# KiCad board Mun.kicad_pcb (continued)
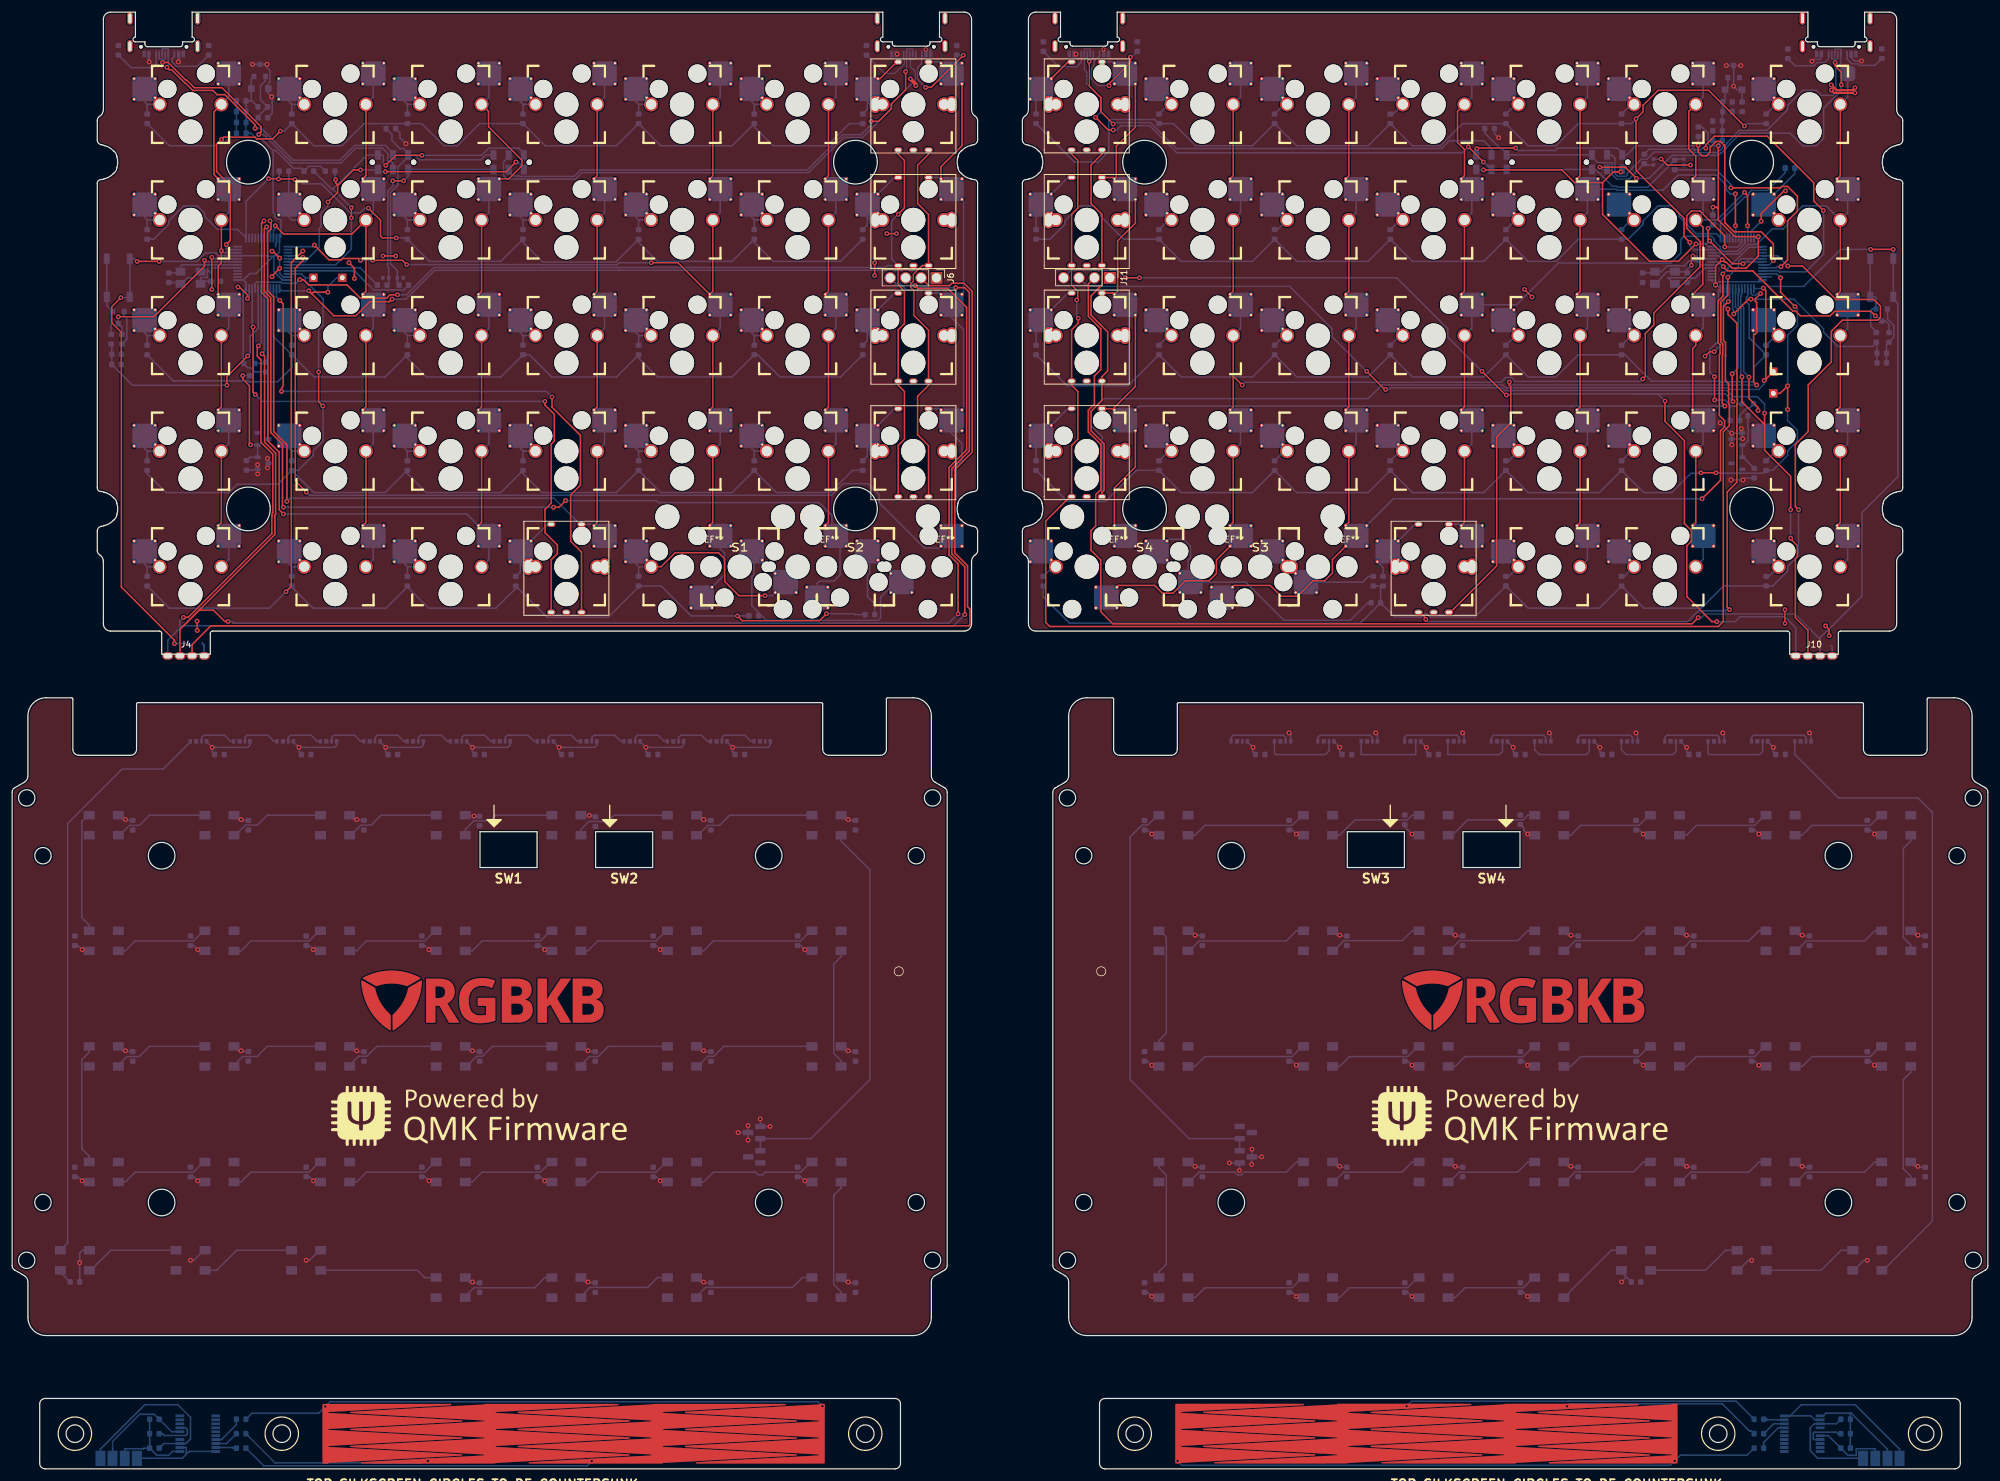
[diagram p0: board, top side]
## Routing (per net, layer and track width the routed paths; a pad name or vN(x,y) marks a point on that pad's centre or on a via; arc(x,y) is an arc through that point) (continued)
/GNDR: length 237.9
  Top w0.25: v1(292.14,210.63) 291.89,210.63 288.14,206.88 v1(288.14,205.63) ; v1(298.74,138.93) 299.34,138.33 v1(299.34,137.33) ; v1(250.39,193.13) v1(249.14,194.38) ; v1(271.64,215.88) 272.64,214.88 v1(276.49,214.88) ; v1(278.89,183.38) 279.64,184.13 v1(280.39,184.13) ; v1(292.05,141.61) v1(292.05,139.34) ; v1(276.89,199.88) 276.64,199.63 v1(276.64,198.38)
  Top w0.35: v1(303.59,226.78) 303.56,226.75 300.16,226.75 v1(299.69,227.23) ; v1(303.59,227.63) 303.19,227.23 300.54,227.23 v1(299.69,228.08)
  Bottom w0.25: C67.1 268.04,105.29 v1(268.7,104.62) 269.68,104.62 LED54.3 ; C68.1 287.09,105.29 v1(287.75,104.62) 288.73,104.62 LED55.3 ; C69.1 306.14,105.29 v1(306.8,104.62) 307.78,104.62 LED56.3 ; C78.1 210.89,67.19 v1(211.55,66.52) 212.53,66.52 LED65.3 ; C79.1 229.94,67.19 v1(230.6,66.52) 231.58,66.52 LED66.3 ; C80.1 248.99,67.19 v1(249.65,66.52) 250.63,66.52 LED67.3 ; C81.1 268.04,67.19 v1(268.7,66.52) 269.68,66.52 LED68.3 ; C82.1 287.09,67.19 v1(287.75,66.52) 288.73,66.52 LED69.3 ; C83.1 306.14,67.19 v1(306.8,66.52) 307.78,66.52 LED70.3 ; C92.1 210.89,29.09 v1(211.55,28.42) 212.53,28.42 LED79.3 ; C93.1 229.94,29.09 v1(230.6,28.42) 231.58,28.42 LED80.3 ; C94.1 248.99,29.09 v1(249.65,28.42) 250.63,28.42 LED81.3 ; LED52.3 231.58,104.62 v1(230.6,104.62) 229.41,105.81 C65.1 ; LED53.3 250.63,104.62 v1(249.65,104.62) 248.99,105.29 248.99,105.66 C66.1 ; C71.1 295.04,87.81 v1(294.9,87.95) 294.45,87.95 293.73,88.68 ; C72.1 275.99,87.81 v1(275.85,87.95) 275.4,87.95 274.68,88.68 ; C73.1 256.94,87.81 v1(256.8,87.95) 256.35,87.95 255.63,88.68 ; C74.1 237.89,87.81 v1(237.75,87.95) 237.3,87.95 236.58,88.68 ; C75.1 218.84,87.81 v1(218.7,87.95) 218.25,87.95 217.53,88.68 ; C84.1 314.09,49.71 v1(313.95,49.85) 313.5,49.85 312.78,50.58 ; C85.1 295.04,49.71 v1(294.9,49.85) 294.45,49.85 293.73,50.58 ; C86.1 275.99,49.71 v1(275.85,49.85) 275.4,49.85 274.68,50.58 ; C87.1 256.94,49.71 v1(256.8,49.85) 256.35,49.85 255.63,50.58 ; C88.1 237.89,49.71 v1(237.75,49.85) 237.3,49.85 236.58,50.58 ; C89.1 218.84,49.71 v1(218.7,49.85) 218.25,49.85 217.53,50.58 ; C62.2 275.73,197.3 273.92,197.3 ; v1(281.8,121.29) 282.06,121.03 LED87.3 ; LED98.3 203.48,119.84 v1(204.41,118.91) 204.41,118.12 C104.1 ; v1(288.14,205.63) 286.43,203.92 U4.23 ; LED96.3 217.76,119.84 v1(218.7,118.91) 218.7,118.12 C103.1 ; U4.47 281.93,193.3 281.54,192.91 281.54,185.27 v1(280.39,184.13) ; J16.1 310.93,3.24 303.6,10.56 294.76,10.56 292.92,8.72 J18.10 296.31,8.72 296.96,8.07 J18.12 ; C56.2 R12.1 308.77,185.28 C53.2 309.98,186.49 309.98,188.44 308.94,189.48 Q2.2 ; v1(253.22,121.29) 253.48,121.03 LED91.3 ; v1(210.36,121.29) 210.62,121.03 LED97.3 ; v1(276.49,214.88) 275.4,214.88 DS7.2 ; C98.1 290.13,118.12 v1(290.13,118.91) 289.2,119.84 LED86.3 ; LED95.3 224.91,121.03 v1(224.65,121.29) ; 265.93,31.6 265.11,32.41 LED82.3 ; 265.93,31.6 C97.1 ; 265.93,31.6 v1(265.13,30.8) ; J10.4 299.83,135.48 299.64,135.68 ; v1(276.89,199.88) 277.45,199.88 277.9,199.43 U4.8 ; LED84.3 303.41,32.72 305.06,34.37 v1(305.61,34.37) ; v1(204.24,52.68) 204.22,52.66 J13.2 ; v1(238.94,121.29) 239.2,121.03 LED93.3 ; LED51.3 212.53,104.62 v1(211.55,104.62) 210.89,105.29 C64.1 ; v1(296.09,121.29) 296.35,121.03 LED85.3 ; C102.1 232.98,118.12 v1(232.98,118.91) 232.05,119.84 LED94.3 ; J13.2 v1(205.84,51.43) ; J13.2 204.22,50.21 v1(204.19,50.18) ; 188.91,66.33 188.72,66.52 v1(187.74,66.52) 187.07,67.19 C77.1 ; v1(276.64,198.38) 275.56,197.3 273.92,197.3 ; LED88.3 274.91,119.84 v1(275.85,118.91) 275.85,118.12 C99.1 ; LED83.3 284.36,32.72 286.01,34.37 v1(286.56,34.37) ; LED89.3 267.77,121.03 v1(267.51,121.29) ; v1(200.54,50.43) J13.1 202.22,49.21 v1(202.19,49.18) ; LED57.3 313.5,87.95 v1(313.95,87.95) 314.09,87.81 C70.1 ; C90.1 195.02,49.71 v1(194.88,49.85) 194.43,49.85 LED77.3 ; 273.92,197.3 272.62,197.3 271.67,196.35 271.67,196.2 270.77,195.3 Y2.4 ; C63.1 187.07,105.29 v1(187.74,104.62) 188.72,104.62 188.91,104.43 ; 308.77,183.52 308.78,183.53 ; C101.1 247.27,118.12 v1(247.27,118.91) 246.34,119.84 LED92.3 ; LED90.3 260.63,119.84 v1(261.56,118.91) 261.56,118.12 C100.1 ; U4.35 289.83,196.43 ; DS8.2 271.62,215.86 v1(271.64,215.88) ; C91.1 187.07,29.09 v1(187.74,28.42) 188.72,28.42 188.91,28.23 ; C76.1 195.94,87.95 v1(194.88,87.95) 194.16,88.68 LED63.3
(no net): length 13.7
  Bottom w0.25: 153.53,205.82 154.74,207.03 ; 154.74,223.67 153.53,224.88 154.74,226.09 ; 154.74,185.56 153.53,186.77 154.74,187.98 ; 154.74,168.93 153.53,167.72 154.74,166.51 ; 96.38,148.67 97.59,149.88
/AB6_LL: length 51
  Top w0.25: v1(40.04,220.92) 40.04,221.49 35.05,226.47 33.75,226.47 33.05,227.17 29.75,227.17 28.53,228.4 28.45,228.4 26.28,230.57 25.89,230.57 v1(25.49,230.97)
  Bottom w0.25: 62.74,216.24 SW2.5 62.74,216.84 61.47,218.11 56.42,218.11 53.99,215.68 46.29,215.68 41.04,220.92 v1(40.04,220.92) ; J1.A6 24.72,233.97 24.8,234.04 25.65,234.04 25.72,233.97 J1.B6 25.72,231.21 v1(25.49,230.97)
/AB6_LR: length 81.3
  Top w0.2: 177.46,227.88 177.46,231.36 177.44,231.38 v1(177.44,231.95)
  Top w0.25: v1(181.39,221.65) 179.34,223.69 179.34,225.99 177.46,227.88
  Bottom w0.2: v1(177.44,231.95) 177.23,232.15 177.23,232.31 ; 177.23,232.31 177.12,232.42 J8.A6 ; 177.23,232.31 178.01,232.31 178.12,232.42 J8.B6
  Bottom w0.25: SW6.5 243.7,217.6 242.42,218.88 236.89,218.88 236.82,218.94 235.48,217.6 191.79,217.6 187.52,221.88 181.61,221.88 v1(181.39,221.65)
/AB6_RL: length 85.7
  Bottom w0.2: J2.B6 148.85,232.5 148.66,232.31 147.95,232.31 ; 147.95,232.31 147.97,232.29 147.97,231.1 148.79,230.28 148.79,228.88 147.79,227.88 ; 147.95,232.31 147.85,232.42 J2.A6
  Bottom w0.25: 81.79,216.84 SW1.5 81.79,216.24 80.97,215.41 80.97,213.08 81.47,212.58 83.33,212.58 83.35,212.56 92.8,212.56 93.86,213.62 131.17,213.62 136.97,219.42 140.1,219.42 144.85,224.17 144.85,224.92 147.79,227.86 147.79,227.88
/AB6_RR: length 57
  Bottom w0.2: 300.45,230.83 301.25,231.63 J9.B6 301.25,233.92 301.15,234.02 300.35,234.02 300.25,233.92 J9.A6
  Bottom w0.25: 300.45,230.83 300.45,226.93 299.9,226.38 298.02,226.38 297.2,227.19 294.97,227.19 292.48,224.7 292.48,224 289.06,220.58 284.55,220.58 282.49,218.51 282.49,218.44 282.17,218.12 282.1,218.12 281.79,217.81 281.79,217.7 281.41,217.32 281.3,217.32 280.91,216.93 276.92,216.93 276.82,217.03 270.49,217.03 269.32,215.85 268.41,215.85 266.07,213.52 266.07,213.21 265.89,213.02 264.49,213.02 264.02,213.49 264.02,216.02 263.5,216.55 SW5.5
/AB7_LL: length 53.2
  Top w0.25: v1(24.78,231.78) 25.71,231.78 28.64,228.85 28.78,228.85 30.01,227.63 34.57,227.63 41.03,221.17 41.03,220.31 v1(40.63,219.91)
  Bottom w0.25: v1(40.63,219.91) 41.42,219.91 46.1,215.22 54.17,215.22 56.61,217.66 60.98,217.66 61.92,216.73 61.92,215.48 61.98,215.41 62.52,215.41 62.74,215.19 SW2.2 ; v1(24.78,231.78) 24.78,232.25 24.74,232.29 24.7,232.29 ; J1.B7 24.22,232.37 24.3,232.29 24.7,232.29 ; 24.7,232.29 25.15,232.29 25.22,232.37 J1.A7
/AB7_LR: length 84.7
  Top w0.25: v1(181.39,220.65) 180.57,220.65 v1(178.48,222.73) ; v1(239.89,217.88) v1(242.39,215.38)
  Bottom w0.2: 177.06,230.18 176.62,230.61 J8.B7 176.62,233.92 176.72,234.02 177.52,234.02 177.62,233.92 J8.A7
  Bottom w0.25: v1(242.39,215.38) 242.47,215.38 243.7,214.15 ; v1(178.48,222.73) 179.39,223.63 179.39,225.94 177.06,228.27 177.06,230.18 ; v1(181.39,220.65) 181.95,220.65 182.68,221.38 187.38,221.38 191.88,216.88 238.89,216.88 v1(239.89,217.88)
/AB7_RL: length 81.6
  Top w0.25: v1(141.49,222.08) 142.75,222.08 144.85,224.17 144.85,224.92 147.19,227.26 v1(147.19,230.28)
  Bottom w0.2: J2.A7 148.35,233.92 148.25,234.02 147.45,234.02 147.35,233.92 J2.B7 147.35,232.36 147.37,232.34 147.37,230.46 v1(147.19,230.28)
  Bottom w0.25: v1(141.49,222.08) 141.49,221.51 139.85,219.88 136.79,219.88 130.99,214.08 93.67,214.07 92.61,213.01 83.53,213.01 83.46,213.09 82.54,213.09 81.79,213.84 SW1.2 81.79,214.44
/AB7_RR: length 60.9
  Top w0.25: v1(301.34,228.1) 301.34,230.18 300.31,231.21 v1(300.31,231.78) ; v1(261.54,214.53) 265.84,214.53 265.84,214.43 v1(267.59,212.68)
  Bottom w0.2: J9.B7 299.75,232.42 299.86,232.31 300.27,232.31 ; 300.27,232.31 300.27,231.81 v1(300.31,231.78) ; 300.27,232.31 300.65,232.31 300.75,232.42 J9.A7
  Bottom w0.25: 262.75,214.15 261.91,214.15 v1(261.54,214.53) ; v1(267.59,212.68) 269.66,212.68 273.46,216.48 281.09,216.48 281.48,216.87 281.6,216.87 282.24,217.51 282.24,217.63 282.29,217.67 282.35,217.67 282.94,218.26 282.94,218.33 284.74,220.13 292.9,220.13 294.97,218.05 297.2,218.05 298.41,219.26 298.41,224.25 301.34,227.18 v1(301.34,228.1)
/col0L: length 81.2
  Top w0.25: K1.2 33.24,223.64 33.24,213.32 K8.2 ; K22.2 34.47,175.02 K15.2 ; K15.2 33.95,198.24 34.47,198.75 v1(34.47,200.76) K8.2 ; K29.2 34.47,155.97 K22.2
  Bottom w0.25: K8.2 35.68,207.03 K8.2 ; K22.2 35.68,168.93 K22.2 ; K29.2 35.68,149.88 K29.2 ; K1.2 35.68,226.09 K1.2 ; U2.10 34.79,200.43 v1(34.47,200.76) ; K15.2 35.68,187.98 K15.2
/col0R: length 103.6
  Top w0.25: K57.2 301.17,155.97 K64.2 ; K36.2 301.17,213.12 K43.2 ; K43.2 301.17,194.07 K50.2 ; K57.2 301.17,175.02 K50.2
  Bottom w0.25: K43.2 302.38,207.04 K43.2 298.85,208.14 294.97,208.14 292.48,205.65 292.48,205.12 291.71,204.35 289.96,204.35 287.46,201.86 287.25,201.86 287.17,201.78 285.94,201.78 284.36,200.2 281.6,200.2 281.37,200.43 U4.10 ; K36.2 302.38,226.09 K36.2 ; K57.2 302.38,168.94 K57.2 ; K64.2 302.38,149.89 K64.2 ; K50.2 302.38,187.99 K50.2
/col1L: length 96.4
  Top w0.25: K16.2 58.28,194.07 K9.2 55.96,203.51 44.74,203.51 v1(43.36,204.88) ; K30.2 58.28,155.97 K23.2 ; K23.2 58.28,175.02 K16.2 ; K9.2 58.28,213.12 K2.2
  Bottom w0.25: K9.2 59.49,207.03 K9.2 ; v1(43.36,204.88) 43.36,204.42 43.04,204.1 U2.22 ; K23.2 59.49,168.93 K23.2 ; K30.2 59.49,149.88 K30.2 ; K2.2 59.49,226.09 K2.2 ; K16.2 59.49,187.98 K16.2
/col1R: length 97.5
  Top w0.25: v1(285.39,210.38) 285.89,209.88 v1(285.89,204.88) ; K65.2 277.35,155.97 K58.2 ; K44.2 277.35,213.12 277.35,216.33 276.2,217.49 276.2,223.72 K37.2 ; K51.2 277.35,185.15 276.84,184.63 K58.2 ; K44.2 278.56,204.62 278.56,201.34 278.5,201.28 278.5,195.22 K51.2
  Bottom w0.25: K58.2 278.56,168.94 K58.2 ; K65.2 278.56,149.89 K65.2 ; K44.2 278.56,207.04 K44.2 280.84,205.83 v1(285.39,210.38) ; U4.22 285.93,204.83 v1(285.89,204.88) ; K51.2 278.56,187.99 K51.2 ; K37.2 278.56,226.09 K37.2
/col2L: length 168.7
  Top w0.25: K17.2 77.33,194.07 K10.2 ; K17.2 77.33,175.02 K24.2 ; K31.2 77.33,155.97 K24.2 ; v1(41.49,205.68) 41.09,205.28 41.09,193.88 42.13,192.83 42.13,169.42 43.99,167.56 43.99,158.08 v1(44.69,157.38) ; K3.2 78.48,223.72 78.48,221.18 83.99,215.68 83.99,214.78 81.82,212.61 K10.2
  Bottom w0.25: K24.2 78.54,168.93 K24.2 ; v1(41.49,205.68) 41.04,205.23 U2.18 ; K3.2 78.54,226.09 K3.2 ; K17.2 78.54,187.98 K17.2 ; K31.2 78.54,149.88 K31.2 ; K10.2 78.54,207.03 K10.2 ; K31.2 74.9,157.38 v1(44.69,157.38)
/col2R: length 112.3
  Top w0.25: v1(283.9,204.89) 283.89,204.9 v1(283.89,210.13) ; K59.2 258.3,155.97 K66.2 ; K59.2 258.3,175.02 K52.2 ; K52.2 258.3,194.07 K45.2 ; K38.2 258.3,213.12 K45.2
  Bottom w0.25: K45.2 259.51,207.04 K45.2 264.2,210.91 264.38,210.72 271.93,210.72 274.44,213.23 280.71,213.23 282.41,211.53 282.41,210.78 283.06,210.13 v1(283.89,210.13) ; K52.2 259.51,187.99 K52.2 ; U4.18 283.93,204.86 v1(283.9,204.89) ; K38.2 259.51,226.09 K38.2 ; K66.2 259.51,149.89 K66.2 ; K59.2 259.51,168.94 K59.2
/col3L: length 175.7
  Top w0.25: K25.2 96.38,175.02 K18.2 ; K11.2 96.38,194.07 K18.2 ; K25.2 96.38,155.97 K32.2 ; v1(42.49,205.68) 42.64,205.52 42.64,204.33 42.09,203.78 42.09,194.15 43.09,193.15 43.09,170.95 45.26,168.78 v1(45.26,159.45) ; K4.2 96.38,213.12 K11.2
  Bottom w0.25: K11.2 97.59,207.03 K11.2 ; v1(42.49,205.68) 42.64,205.52 42.64,204.33 42.54,204.23 U2.21 ; K4.2 97.59,226.09 K4.2 ; K25.2 97.59,168.93 K25.2 ; v1(45.26,159.45) 45.78,159.97 89.26,159.97 93.55,155.67 E5.4 95.65,155.67 K32.2 ; K18.2 97.59,187.98 K18.2
/col3R: length 129.2
  Top w0.25: K67.2 239.25,155.97 K60.2 ; K39.2 238.1,223.72 238.1,218.59 239.25,217.43 239.25,213.12 K46.2 ; K60.2 239.25,175.02 K53.2 ; K46.2 239.25,194.07 K53.2
  Bottom w0.25: K46.2 240.46,207.04 K46.2 ; K67.2 238.52,155.68 E10.4 ; K60.2 240.46,168.94 K60.2 ; K39.2 240.46,226.09 K39.2 ; U4.21 285.43,201.9 284.18,200.65 281.79,200.65 281.41,201.03 281.41,201.34 280.36,202.39 280.36,202.72 279.96,203.13 275.39,203.13 274.89,202.63 274.89,200.38 273.24,198.73 254.7,198.73 247.83,191.86 K53.2 240.46,187.99 K53.2
/col4L: length 158.6
  Top w0.25: K12.2 115.43,213.12 K5.2 ; K26.2 115.43,175.02 K19.2 ; K26.2 115.43,155.97 K33.2 ; v1(57.39,199.18) 57.09,199.48 54.42,199.48 54.2,199.25 52.2,199.25 51.12,200.33 51.12,200.34 v1(49.79,201.68) ; v1(59.39,199.18) 64.29,199.18 v1(64.99,198.48) ; K12.2 115.43,194.07 K19.2 109.7,198.78 v1(105.29,198.78)
  Bottom w0.25: K26.2 116.64,168.93 K26.2 ; v1(49.79,201.68) 49.54,201.43 U2.25 ; K12.2 116.64,207.03 K12.2 ; K5.2 116.64,226.09 K5.2 ; K33.2 116.64,151.65 117.34,150.96 117.34,147.35 K71.2 113.58,144.5 ; K19.2 116.64,187.98 K19.2 ; v1(64.99,198.48) 87.16,198.48 87.21,198.42 99.61,198.42 99.96,198.78 v1(105.29,198.78) ; v1(57.39,199.18) v1(59.39,199.18)
/col4R: length 204
  Top w0.25: v1(281.8,196.93) 281.8,193.25 281.01,192.46 281.01,185.59 281.36,185.24 281.36,183.78 281.24,183.65 281.24,173.6 282.11,172.72 282.11,171.78 281.43,171.1 281.43,162.92 v1(278.39,159.88) ; K61.2 220.2,175.02 K54.2 ; K54.2 220.2,194.07 K47.2 ; K68.2 220.2,155.97 K61.2 ; K73.2 201.33,145.6 207.25,145.6 209.03,143.81 211.74,143.81 214.28,146.36 216.24,146.36 217.51,147.63 217.51,149.87 K68.2 ; K47.2 220.2,213.12 K40.2
  Bottom w0.25: K54.2 221.41,187.99 K54.2 ; U4.25 288.32,201.41 287.43,201.41 287.36,201.33 286.13,201.33 284.55,199.75 284.51,199.75 282.64,197.88 282.64,197.76 v1(281.8,196.93) ; K61.2 221.41,168.94 K61.2 ; K47.2 221.41,207.04 K47.2 ; v1(278.39,159.88) 227.53,159.88 K68.2 ; K40.2 221.41,226.09 K40.2
/col5L: length 230.6
  Top w0.25: K34.2 134.48,155.97 K27.2 ; K13.2 134.48,194.07 K20.2 ; K20.2 134.48,175.02 K27.2 ; v1(41.91,204.68) 41.54,204.3 41.54,194.06 42.61,192.99 42.61,170.79 44.54,168.86 44.54,160.09 44.54,160.09 44.54,158.65 v1(44.71,158.48) ; v1(89.19,158.48) 90.09,158.48 v1(91.19,159.58) ; K13.2 134.48,213.12 K6.2
  Bottom w0.25: U2.20 42.04,204.54 v1(41.91,204.68) ; v1(44.71,158.48) 89.18,158.48 v1(89.19,158.48) ; K6.2 135.69,226.09 K6.2 ; K13.2 135.69,207.03 K13.2 ; K27.2 135.69,168.93 K27.2 ; v1(91.19,159.58) 106.14,159.58 106.47,159.25 132.93,159.25 135.04,157.14 135.04,154.41 K34.2 136.39,153.06 136.39,147.33 135.35,146.29 132.97,146.29 132.63,145.96 K72.2 ; K20.2 135.69,187.98 K20.2
/col5R: length 211.1
  Top w0.25: K55.2 201.15,180.11 ; 201.15,180.11 201.15,175.02 K62.2 ; 201.15,180.11 v1(202.64,178.63) ; v1(282.14,201.38) 282.14,203.23 278.06,207.3 276.65,207.3 275.88,206.53 275.88,204.46 278.11,202.22 278.11,201.53 278.05,201.47 278.05,198.11 270.44,190.5 270.44,188.5 269.04,187.09 269.04,180.03 v1(268.64,179.63) ; K41.2 201.15,213.12 K48.2 ; K48.2 201.15,194.07 K55.2 ; K62.2 201.15,155.97 K69.2 ; 200.84,152.25 198.39,149.8 198.39,147.56 197.19,146.36 193.28,146.36 191.24,144.31 189.48,144.31 188.2,145.6 182.28,145.6 K74.2
  Bottom w0.25: K41.2 202.36,226.09 K41.2 ; v1(282.14,201.38) 284.26,201.38 284.91,202.02 284.91,202.84 U4.20 ; K62.2 202.36,168.94 K62.2 ; K55.2 202.36,187.99 K55.2 ; K48.2 202.36,207.04 K48.2 ; v1(268.64,179.63) 268.24,179.23 247.61,179.23 246.98,179.85 246.04,179.85 245.26,179.08 203.09,179.08 v1(202.64,178.63)
/col6L: length 248.1
  Top w0.25: K14.2 153.02,214.6 156.47,218.05 K7.2 ; v1(47.89,199.68) 47.89,199.11 46.64,197.87 46.64,162.82 v1(48.49,160.98)
  Bottom w0.25: K14.2 156.73,208.91 156.73,193.85 K21.2 ; K21.2 154.74,189.75 156.73,187.76 156.73,174.8 K28.2 154.74,170.7 156.47,168.98 156.47,166.25 154.74,164.53 K35.2 152.74,151.76 150.28,151.76 142.82,159.22 142.82,160.54 140.99,162.38 136.89,162.38 134.96,160.45 49.01,160.45 v1(48.49,160.98) ; K21.2 152.83,193.76 E3.4 ; K28.2 152.81,174.71 E4.4 ; E1.4 152.83,231.86 K7.2 ; K14.2 152.81,212.81 E2.4 ; v1(47.89,199.68) 47.64,199.43 U2.29
/col6R: length 206.2
  Top w0.25: v1(282.64,196.38) 282.64,193.45 281.46,192.27 281.46,185.78 281.81,185.43 281.81,183.59 281.74,183.52 281.74,175.55 v1(282.14,175.15) ; K49.2 185.04,205.31 182.11,202.38 182.11,194.07 K56.2 181.37,193.78 E8.4 ; K56.2 185.04,178.38 181.59,174.93 K63.2 181.37,174.73 E9.4 ; K63.2 185.04,165.13 181.59,161.68 181.59,155.46 K70.2 ; K42.2 185.04,221.13 181.89,217.98 181.89,212.91 K49.2 181.37,212.83 E7.4
  Bottom w0.25: U4.29 284.87,199.43 284.41,198.97 284.41,198.15 v1(282.64,196.38) ; E6.4 181.37,231.88 K42.2 ; v1(282.14,175.15) 185.66,175.15 K63.2
/CS0L: length 58.5
  Bottom w0.25: R15.2 41.44,0.49 94.7,0.49 v1(95.49,1.28)
/CS0R: length 58.8
  Bottom w0.25: R16.2 283.98,11.17 256.37,11.17 256.36,11.16 230.57,11.16 v1(229.73,10.32)
/CS1L: length 32.1
  Bottom w0.25: R17.2 43.33,0.98 67.59,0.98 67.92,1.31 v1(68.49,1.31)
/CS1R: length 33
  Bottom w0.25: v1(256.15,10.31) 256.56,10.72 281.72,10.72 286.18,6.26 286.5,6.26 R18.2
/CS2L: length 96.5
  Bottom w0.25: v1(133.49,10.32) 132.74,11.08 52.39,11.08 v1(51.59,10.28) 50.49,9.18 39.5,9.18 R19.2
/CS2R: length 96.5
  Bottom w0.25: v1(191.99,1.3) 192.71,0.58 273.17,0.58 v1(273.89,1.3) 274.87,2.28 285.82,2.28 R20.2
/D+L: length 44.1
  Bottom w0.25: SW2.6 65.24,216.84 64.49,217.59 63.89,217.59 62.56,218.91 62.56,219.91 R29.2 ; SW2.6 66.35,216.54 67.14,215.75 77.26,215.75 78.04,216.54 SW1.4 ; SW2.6 65.24,216.24 63.57,214.56 63.57,211.6 62.34,210.37 62.34,198.59 63.45,197.48 63.45,195.39 R7.1
/D+R: length 34.4
  Bottom w0.25: SW5.4 260.25,216.41 ; SW5.4 SW6.6 246.2,216.85 245.45,217.6 245.15,217.6 242.6,220.15 R30.2 ; SW5.4 260.25,216.25 261.22,215.28 263.51,215.28 263.57,215.21 263.57,213.3 264.3,212.57 266.37,212.57 R14.1 269.08,214.89 DS8.1
/D-L: length 35.8
  Top w0.25: v1(62.69,212.28) v1(64.49,212.28)
  Bottom w0.25: v1(62.69,212.28) 62.74,212.22 62.74,211.41 61.89,210.55 61.89,198.05 62.04,197.9 62.04,195.39 R6.1 ; v1(64.49,212.28) 65.24,213.03 SW2.3 SW1.1
/D-R: length 32.3
  Bottom w0.25: 246.2,214.15 260.86,214.15 263.64,211.37 264.36,211.37 264.51,211.22 269.45,211.22 R13.1 274.08,215.86 DS7.1
/enc_1AL: length 171.3
  Top w0.2: 145.97,195.11 145.97,195.67 145.95,195.69 145.95,196.89 145.97,196.91 E2.1
  Top w0.25: v1(63.49,193.5) 62.24,193.5 61.67,192.93 57.36,192.93 55.19,195.11 48.82,195.11 47.95,195.98 v1(47.39,195.98) ; E4.1 145.97,168.68 146.99,169.7 146.99,177.54 145.97,178.56 E3.1 145.97,187.73 146.99,188.75 146.99,194.08 145.97,195.11 ; v1(145.99,206.75) 145.97,206.77 145.97,206.78 146.99,207.8 146.99,215.64 145.97,216.66 E1.1
  Bottom w0.25: v1(63.49,193.5) 64.96,193.5 69.44,197.97 99.8,197.97 99.81,197.99 143.83,197.99 144.16,198.31 E2.1 144.89,199.39 144.89,205.65 v1(145.99,206.75) ; U2.45 40.04,195.36 40.27,195.58 44.28,195.58 44.49,195.38 46.79,195.38 v1(47.39,195.98)
/enc_1AR: length 251
  Top w0.2: 174.52,195.12 174.52,195.68 174.5,195.7 174.5,196.9 174.52,196.92 E7.1
  Top w0.25: v1(175.39,192.63) 175.55,192.79 175.55,194.1 174.52,195.12 ; v1(175.64,189.63) 175.64,188.82 174.52,187.71 E8.1 174.52,178.58 175.55,177.55 175.55,169.68 174.52,168.66 E9.1 174.27,160.23 170.26,156.21 170.26,139.51 170.94,138.83 281.09,138.83 281.89,139.63 281.89,170.92 282.89,171.92 282.89,175.43 282.76,175.55 282.76,178.85 282.24,179.37 282.24,183.38 282.26,183.4 282.26,185.61 281.91,185.96 281.91,191.58 v1(282.71,192.38) ; E7.1 174.52,206.76 175.55,207.78 175.55,215.65 174.52,216.68 E6.1
  Bottom w0.25: U4.45 282.93,192.59 v1(282.71,192.38) ; v1(175.39,192.63) 175.39,189.88 v1(175.64,189.63)
/enc_1BL: length 182.4
  Top w0.2: 150.02,198.31 149.91,198.31 148.45,196.85 148.45,195.69 148.04,195.28 148.04,194.69 148.56,194.16 148.56,190.09
  Top w0.25: v1(52.01,193.92) 49.63,193.92 49.36,193.65 ; 148.56,190.09 150.97,187.69 E3.2 150.97,178.56 149.16,176.76 149.16,170.44 150.97,168.64 E4.2 ; v1(48.86,194.15) 49.36,193.65 ; 49.36,193.65 52.98,190.03 56.62,190.03 58.94,192.35 62.16,192.35 v1(62.59,192.78) ; E1.2 150.97,216.66 149.16,214.86 149.16,208.54 150.97,206.74 E2.2 150.02,198.31
  Bottom w0.25: U2.37 44.41,194.15 v1(48.86,194.15) ; E2.2 150.02,198.31 149.43,197.73 149.23,197.73 149.04,197.54 147.9,197.54 147.71,197.73 146.73,197.73 146.54,197.54 145.4,197.54 145.21,197.73 144.21,197.73 144.02,197.54 100,197.54 99.98,197.52 69.62,197.52 64.87,192.78 v1(62.59,192.78) ; J22.1 53.46,196.3 52.01,194.84 v1(52.01,193.92)
/enc_1BR: length 210.2
  Top w0.2: E7.2 179.52,196.92 179.54,196.9 179.54,195.7 179.52,195.68 179.52,195.11
  Top w0.25: v1(288.49,194.58) 288.89,194.18 288.89,179.63 v1(288.64,179.38) ; 179.52,195.11 178.96,194.55 178.95,194.55 178.5,194.1 178.5,194.09 177.74,193.33 177.74,190.13 180.47,187.39 180.47,180.93 179.52,179.98 E8.2 179.52,176.07 177.74,174.29 177.74,171.08 179.89,168.93 179.89,161.29 179.52,160.93 E9.2 ; J21.1 288.94,179.63 ; E7.2 179.52,206.76 177.74,208.54 177.74,214.89 179.52,216.68 E6.2
  Bottom w0.25: E9.2 179.52,170.14 177.74,171.93 177.74,174.29 179.83,176.38 223.39,176.38 225.64,178.63 245.56,178.63 246.04,178.15 246.98,178.15 247.01,178.17 282.7,178.17 282.98,177.9 287.73,177.9 288.64,178.81 v1(288.64,179.38) ; U4.37 288.43,194.52 v1(288.49,194.58)
/enc_2AL: length 103.1
  Top w0.25: E5.1 88.8,149.82 89.82,150.85 89.82,152.24 87.79,154.28 87.79,155.34 87.77,155.35 87.77,158.14 88.8,159.16 88.8,168.87 89.31,169.39 89.31,173.78 87.75,175.35 v1(87.75,175.92) ; v1(39.69,188.18) 39.69,177.42 v1(40.06,177.05)
  Bottom w0.25: U2.46 39.54,188.32 v1(39.69,188.18) ; v1(87.75,175.92) 41.19,175.92 v1(40.06,177.05)
/enc_2AR: length 107.7
  Top w0.25: v1(282.92,141.61) 282.52,142.01 282.52,160.99 284.14,162.6 284.14,171.07 284.12,171.08 284.12,171.78 284.14,171.8 284.14,175.48 284.21,175.55 284.21,176.25 284.14,176.32 284.14,188.79 282.66,190.27 v1(282.66,191.13) ; v1(232.88,140.01) 232.88,140.22 231.92,141.18 E10.1
  Bottom w0.25: U4.46 282.43,193.17 281.99,192.72 281.99,191.79 v1(282.66,191.13) ; v1(282.92,141.61) 282.36,141.61 282.14,141.39 277.77,141.39 275.99,139.61 233.28,139.61 v1(232.88,140.01)
/enc_2BL: length 101.3
  Top w0.25: v1(88.94,176.64) 88.94,175.01 93.62,170.32 93.62,162.11 92.01,160.5 92.01,152.88 93.8,151.09 E5.2 ; v1(44.38,177.58) 44.38,178.14 44.66,178.42 44.66,192.01 v1(44.09,192.58)
  Bottom w0.25: v1(44.09,192.58) 43.54,193.12 U2.38 ; v1(44.38,177.58) 88,177.58 v1(88.94,176.64)
/enc_2BR: length 102.3
  Top w0.25: v1(288.03,193.69) 287.19,192.85 287.19,192.51 287.16,192.48 287.16,192.43 287.39,192.2 287.39,191.36 287.43,191.32 287.43,190.72 287.39,190.68 287.39,187.95 287.43,187.91 287.43,187.31 287.1,186.99 286.89,186.99 286.89,179.13 v1(287.39,178.63) ; v1(246.64,179.13) 246.64,178.56 246.89,178.31 246.89,172.39 244.56,170.07 244.56,148.81 236.92,141.18 E10.2
  Bottom w0.25: v1(288.03,193.69) 287.47,193.69 287.23,193.46 286.69,193.46 286.43,193.72 U4.38 ; v1(287.39,178.63) 246.89,178.63 246.64,178.88 v1(246.64,179.13)
/k7L: length 13.7
  Top w0.25: K7.1 142.97,229.12 145.72,231.86 E1.5
  Bottom w0.25: 141.31,224.85 141.33,224.88 ; 141.33,224.88 K7.1 ; 141.33,224.88 140.89,225.32 K7.1 140.89,224.06 D7.2
/k14L: length 16.2
  Bottom w0.25: K14.1 145.34,212.81 E2.5 ; K14.1 140.89,205.01 D14.2 ; K14.1 140.89,206.26 141.33,205.82 ; K14.1 141.33,205.82 ; 141.33,205.82 141.31,205.8
/k21L: length 13.7
  Bottom w0.25: 141.31,186.75 141.33,186.77 ; 141.33,186.77 140.89,187.21 K21.1 140.89,185.96 D21.2 ; 141.33,186.77 K21.1 ; E3.5 145.36,193.76 K21.1
/k28L: length 13.7
  Bottom w0.25: 141.33,167.72 K28.1 ; 141.33,167.72 141.31,167.7 ; 141.33,167.72 140.89,168.16 K28.1 140.89,166.91 D28.2 ; E4.5 145.36,174.71 K28.1
/k32L: length 16.2
  Bottom w0.25: K32.1 84.18,148.67 ; K32.1 83.74,149.11 84.18,148.67 ; K32.1 88.2,155.67 E5.5 ; K32.1 83.74,147.86 D32.2 ; 84.18,148.67 84.16,148.65
/k33L: length 35.4
  Top w0.25: K33.1 106.9,148.67 109.22,150.99 116.37,150.99 117.39,149.98 117.39,146.24 119.72,143.91 v1(124.04,143.91)
  Bottom w0.25: K33.1 103.23,148.67 ; v1(124.04,143.91) 125.21,143.91 K71.1 ; 103.23,148.67 103.21,148.65 103.21,147.23 ; 103.23,148.67 102.79,149.11 K33.1
/k34L: length 39.8
  Bottom w0.25: K34.1 122.19,150.86 122.19,147.34 121.86,147.01 121.86,142.26 122.97,141.15 D34.2 123.51,140.58 124.25,139.84 142.65,139.84 143.06,140.24 143.06,143.65 145.54,146.13 K72.1
/k42R: length 9.3
  Top w0.25: E6.5 173.95,231.88 K42.1
  Bottom w0.25: D42.2 168.69,226.64 K42.1 169.81,227.42
/k49R: length 12.6
  Bottom w0.25: D49.2 168.69,207.59 K49.1 173.92,212.83 E7.5 ; K49.1 170.72,205.83
/k56R: length 12.6
  Bottom w0.25: D56.2 168.69,188.54 K56.1 173.92,193.78 E8.5 ; K56.1 170.72,186.78
/k63R: length 12.6
  Bottom w0.25: K63.1 170.72,167.73 ; E9.5 173.92,174.73 K63.1 168.69,169.49 D63.2
/k67R: length 12.9
  Bottom w0.25: K67.1 225.84,148.56 D67.2 ; 229.09,149.69 229.09,149.77 227.65,151.22 K67.1 231.07,155.68 E10.5
/k68R: length 19.2
  Bottom w0.25: K68.1 208.08,151.22 K73.1 222.51,146.14 223.46,147.08 D68.2